# Altium PCB slave.PcbDoc (part 2 of 5) (continued)
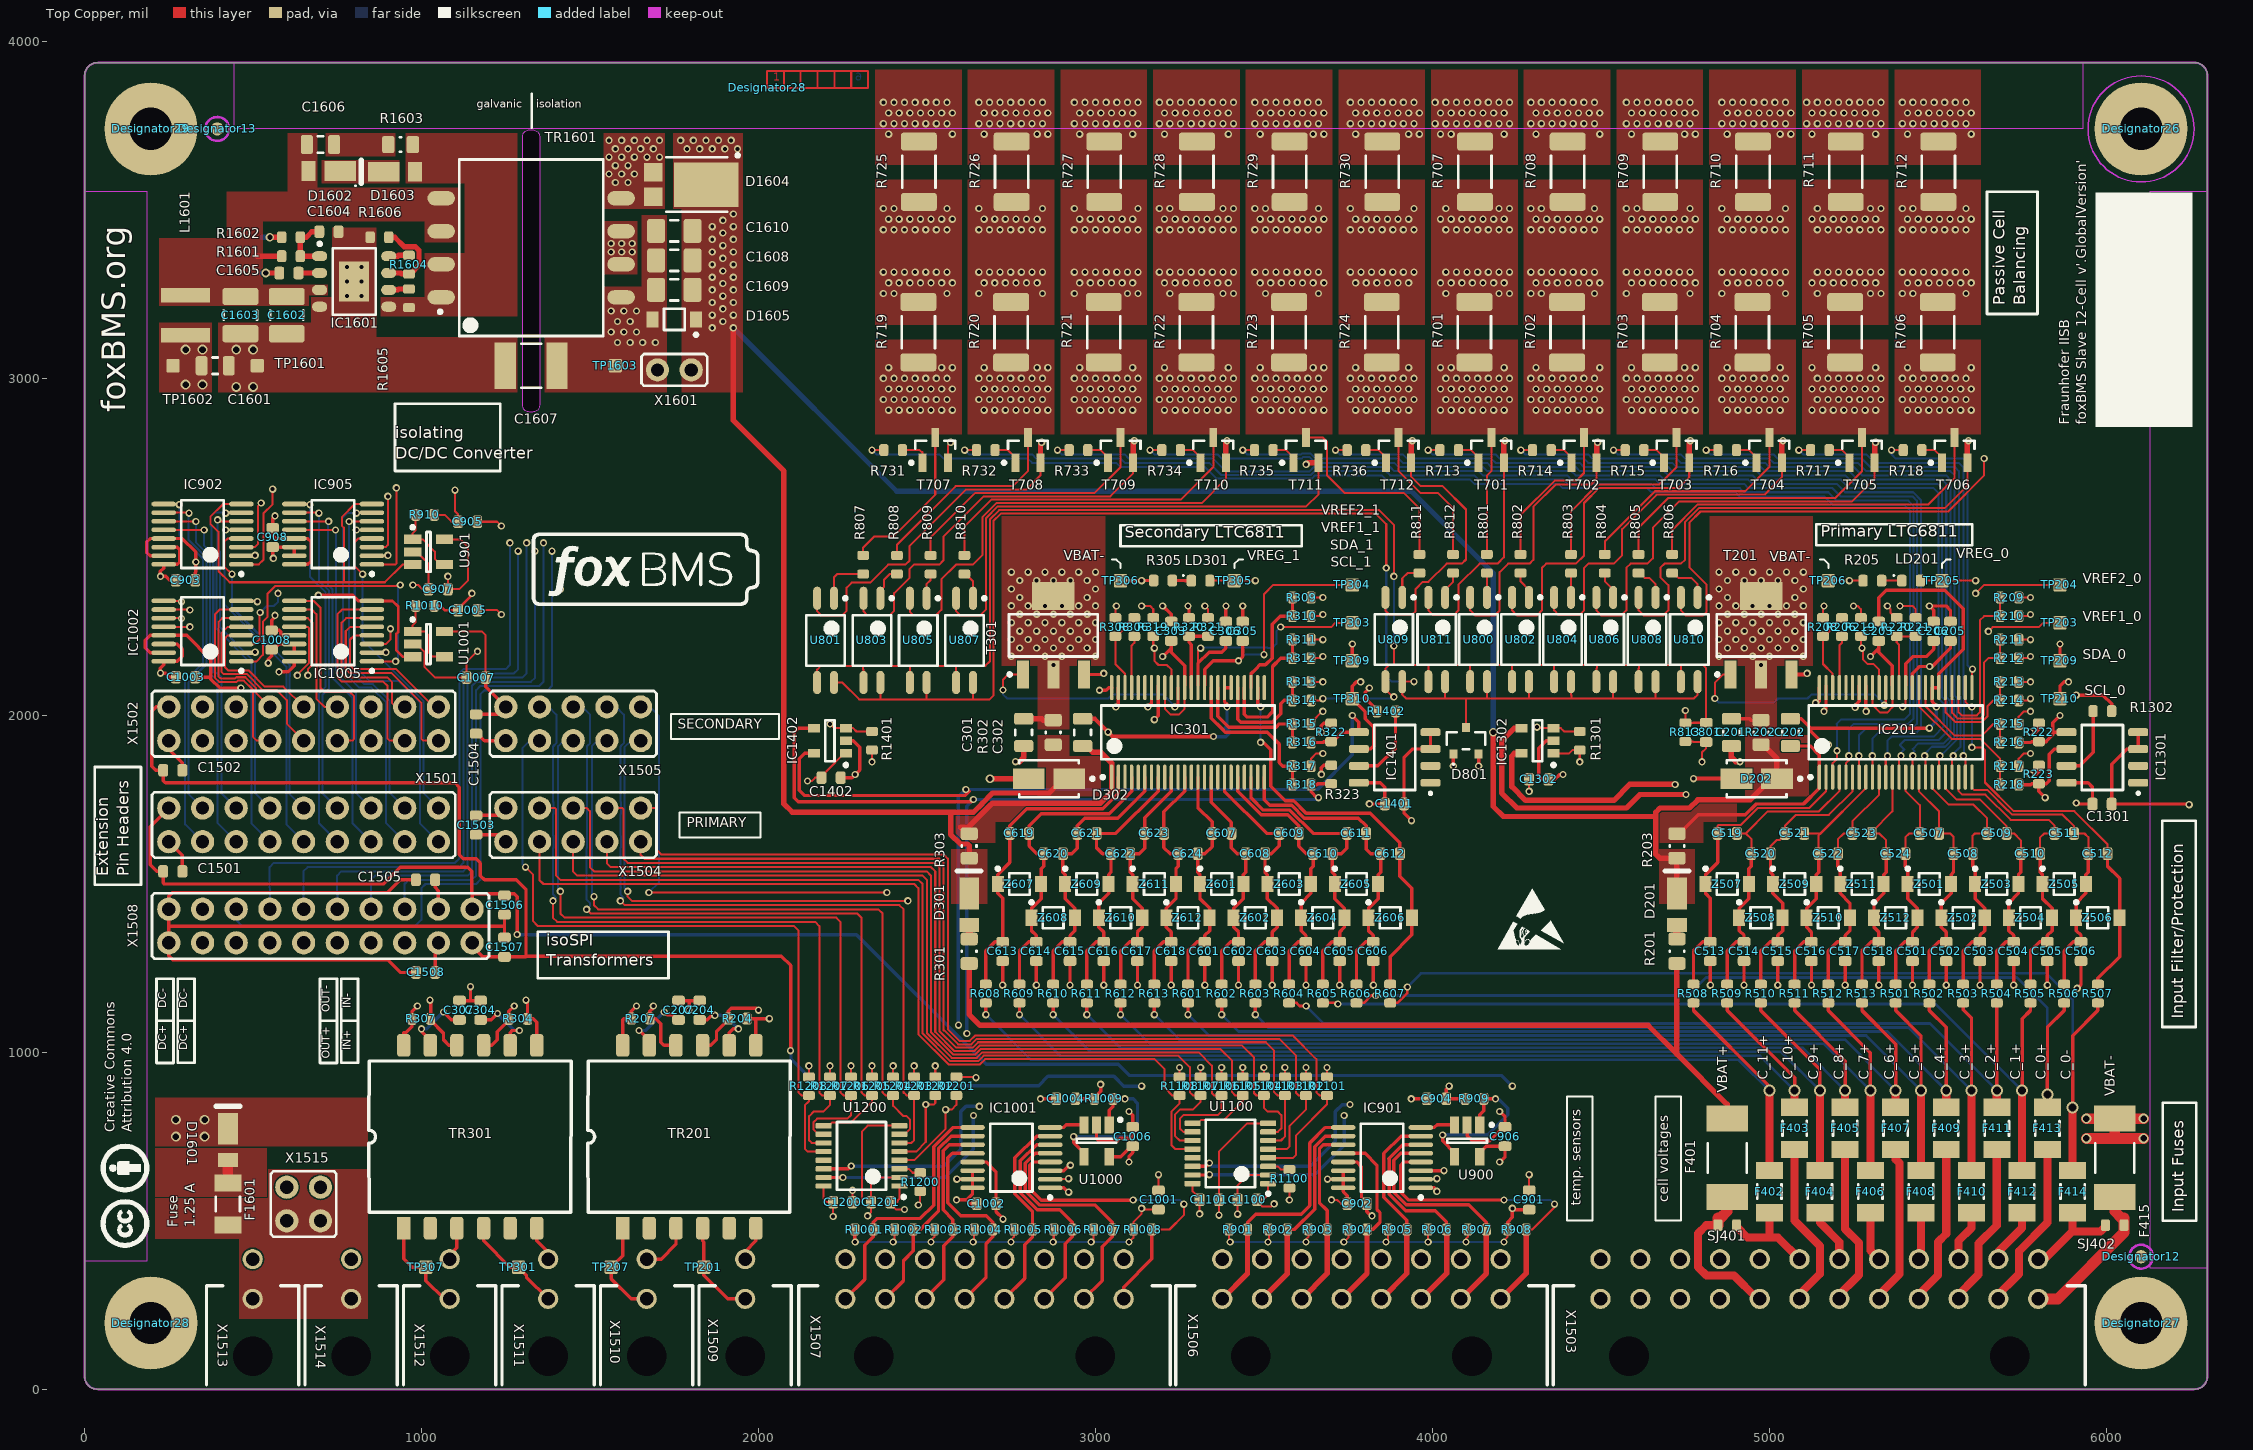
[diagram p0: Top Copper view]
## Nets (pads, with @x,y where several pads share a name; then routed paths per layer and width w, separated by ;. In a path a pad name is that pad's centre, name@x,y a point inside that pad or via, vN(x,y) a via of type N, cw(c..) or ccw(c..) an arc to the next point about the centre after c; other vN are vias at no path point) (continued)
  Top Copper w10: IC902.15@234.84,2473.52 194.43,2473.52 185,2482.95 185,2515 194.7,2524.7 IC902.13@234.84,2524.7 290.3,2524.7 330,2485 v1(330,2455) 330,2425.44 328.05,2423.49 C903.2@328.05,2400.79 ; v1(565,2592) 558,2585 C908.2@558,2556.54 558,2535 568.3,2524.7 IC905.13@622.34,2524.7 662.76,2524.7 672.46,2515 672.46,2457.64 662.76,2447.93 IC905.16@622.34,2447.93 ; C1505.2@1040.25,1512.01 1040.25,1489.31 1050,1479.56 X1508.3@1050,1425 ; C1503.2@1161.71,1703.05 1228.05,1703.05 X1504.9@1250,1725 ; IC901.13@3734.84,674.7 3775.26,674.7 3788.9,661.06 3788.9,569.86 3804.33,554.43 C902.2@3804.33,550.49 3804.33,527.79 3817.12,515 v1(3820,515) ; v1@4136.61,1849.61 D801.2@4136.61,1885.14 ; U900.5@4139.77,690.26 4139.77,702.07 4159.16,721.46 C906.2@4215,721.46 4215,690.3 v1(4199.21,674.51) ; v1(5299.21,2174.51) 5324.21,2199.51 ; C203.2@5324.21,2215.45 5324.21,2199.51 ; IC201.37@5364.37,2088.68 5364.37,2146.85 5324.21,2187.01 5324.21,2199.51 ; v1(5772.14,1825) 5791.5,1825 5800,1833.5 5799.21,1834.29 R223.2@5799.21,1852.07 ; v1(5772.14,1950) 5790,1950 5799.21,1959.21 R222.2@5799.21,1977.07 ; IC1301.8@5881.2,1800 5945,1800 5958.17,1786.83 C1301.2@5958.17,1737.01 5912.99,1737.01 v1(5910,1740) ; v1(5910,2060) 5989.28,2060 6015.06,2034.22 R1302.2@6015.06,2012.5
  Top Copper w12: T201.3@5065.55,2121.36 5108.56,2121.36 v1(5111.71,2124.51)
  VREG w6: v1(506.25,2475) 525,2475 ; v1@3250,955 3250,911.22 3261.71,899.51 ; v1@3315,960 3315,908.72 3324.21,899.51 ; v1@3370,960 3370,916.22 3386.71,899.51 ; v1@3430,955 3430,918.72 3449.21,899.51 ; v1@3500,960 3500,911.22 3511.71,899.51 ; 3550,960 3550,923.72 3574.21,899.51 ; v1@3615,950 3615,921.22 3636.71,899.51 ; v1@3680,955 3680,918.72 3699.21,899.51 ; v1(4286.71,1774.51) 4311.71,1774.51 ; 4436.71,1837.01 v1(4436.71,1862.01) ; 5224.21,2324.51 v1(5249.21,2324.51) ; v1(5386.71,2324.51) 5386.71,2349.51 ; v1(5611.71,2399.51) 5636.71,2399.51
  VREG w10: 300,2475 320,2455 v1(330,2455) ; 550,2612.5 565,2597.5 v1(565,2592) ; v1(3820,515) 3820,557.5 3850,587.5 ; 4136.71,1824.51 v1(4136.71,1849.51) ; 5274.21,2174.51 v1(5299.21,2174.51) ; v1(5772.14,1825) 5773.72,1825 v1@5774.21,1824.51 ; v1(5772.14,1950) 5773.72,1950 v1@5774.21,1949.51 ; 5887.5,1737.5 5890,1740 v1(5910,1740) ; v1@5915,2065 5915,2077.5 5925,2087.5
  VREG w12: v1(5111.71,2124.51) 5136.71,2124.51
+5.0V_VREG_1: C303.2 C1002.2 C1003.2 C1006.2 C1007.2 C1008.2 C1200.2 C1201.2 C1401.2 C1402.2 C1504.2 C1508.2 D801.1 IC301.37 IC301.40 IC1001.2 IC1001.13 IC1002.2 IC1002.13 IC1002.15 IC1005.2 IC1005.13 IC1005.16 IC1401.8 IC1402.1 LD301.2 R319.2 R321.2 R322.2 R323.2 R1200.1 R1201.2 R1202.2 R1203.2 R1204.2 R1205.2 R1206.2 R1207.2 R1208.2 R1401.2 R1402.2 T301.3 TP305.1 U1000.5 U1001.5 U1200.1 U1200.16 X1505.9 X1508.4 | length 4517.3
  Top Copper w6: IC1002.2@464,2186 504.75,2186 v1(506.25,2187.5) ; IC1005.2@851.5,2186 892.94,2186 v1(894.09,2187.16) ; U1001.5@1067.91,2249.02 1178.44,2249.02 1190.25,2237.2 C1007.2@1190.25,2112.01 ; v1(2145,1805) 2157.69,1805 2167.69,1815 C1402.2@2186.46,1815 2186.46,1818.94 2201.89,1834.37 2201.89,1834.96 2254.03,1887.11 IC1402.1@2258.95,1887.11 ; R1208.2@2149.21,927.07 v1(2149.21,960) ; U1200.16@2193.26,603.19 2193.26,564.69 2202.69,555.26 C1200.2@2221.46,555.26 v1(2221.46,512.93) ; R1207.2@2211.71,927.07 v1(2211.71,960) ; R1206.2@2274.21,927.07 v1(2274.21,960) ; R1205.2@2336.71,927.07 v1(2336.71,960) ; v1(2336.71,1862.01) R1401.2@2336.71,1894.98 ; R1204.2@2399.21,927.07 v1(2399.21,960) ; U1200.1@2417.66,603.19 2417.66,565.59 2412.5,560.42 2412.5,555.26 C1201.2@2391.04,555.26 2391.04,551.32 2408.9,533.47 v1(2433.07,533.47) ; R1203.2@2461.71,927.07 v1(2461.71,960) ; v1(2474.21,546.85) 2479.67,552.31 R1200.1@2479.67,587.64 ; R1202.2@2524.21,927.07 v1(2524.21,960) ; R1201.2@2586.71,927.07 2642.93,927.07 v1(2645,925) ; IC1001.2@2864,623.5 2918.5,623.5 v1(2920,625) ; v1(3136.71,2324.51) 3161.71,2324.51 3171.09,2315.13 R319.2@3171.09,2291.54 ; IC301.40@3205.32,2088.68 3205.32,2019.69 3220,2005 3221.82,2003.17 3248.17,2003.17 3264.37,2019.37 IC301.37@3264.37,2088.68 ; v1(3324.21,2324.51) 3333.59,2315.13 R321.2@3333.59,2291.54 ; LD301.2@3341.24,2399.51 TP305.1@3411.71,2399.51 v1(3474.21,2399.51) ; v1(4061.71,1849.51) v1@4061.81,1849.61
  Top Copper w10: IC1002.15@234.84,2186.02 194.43,2186.02 180,2200.45 180,2222.78 194.43,2237.2 IC1002.13@234.84,2237.2 302.8,2237.2 374.71,2165.29 374.71,2115 ; C1003.2@328.05,2113.29 373,2113.29 374.71,2115 ; v1(463.75,2081.25) 400.5,2081.25 374.71,2107.04 374.71,2115 ; v1(565,2297) 565,2292 555,2282 C1008.2@555,2252.09 577.7,2252.09 581.93,2247.86 581.93,2237.2 IC1005.13@622.34,2237.2 ; v1(577,2129) 604,2129 622.34,2147.34 IC1005.16@622.34,2160.43 ; C1508.2@1040.25,1237.01 1040.25,1315.25 X1508.4@1050,1325 ; C1504.2@1161.71,2003.05 1228.05,2003.05 X1505.9@1250,2025 1190.25,2084.75 C1007.2@1190.25,2112.01 ; IC1001.13@2634.84,674.7 2675.26,674.7 2704.33,645.63 C1002.2@2704.33,550.49 2704.33,527.79 2725,507.12 v1(2725,505) ; T301.3@2965.55,2121.36 3021.06,2121.36 v1(3024.21,2124.51) ; U1000.5@3040.15,690.26 3074.86,690.26 3106.06,721.46 C1006.2@3110,721.46 3110,702.69 3099.21,691.9 v1(3099.21,674.51) ; v1(3199.21,2174.51) 3224.21,2199.51 ; C303.2@3224.21,2215.45 3224.21,2199.51 ; IC301.37@3264.37,2088.68 3264.37,2146.85 3224.21,2187.01 3224.21,2199.51 ; v1(3670,1825) 3670,1844.58 3677.49,1852.07 R323.2@3699.21,1852.07 ; v1(3670,1950) 3670,1969.58 3677.49,1977.07 R322.2@3699.21,1977.07 ; IC1401.8@3781.2,1800 3845,1800 3858.17,1786.83 C1401.2@3858.17,1737.01 3812.99,1737.01 v1(3812.5,1737.5) ; v1(3812.5,2081.25) 3800,2068.75 3800,2050.89 3834.94,2015.95 R1402.2@3834.94,2012.01 ; v1@4061.81,1849.61 D801.1@4061.81,1885.14
  VREG w6: v1(506.25,2187.5) 518.75,2187.5 ; v1@575,2125 577,2127 v1(577,2129) ; v1@2150,960 2150,911.22 2161.71,899.51 ; v1@2215,960 2215,908.72 2224.21,899.51 ; v1@2280,955 2280,906.22 2286.71,899.51 ; v1@2340,955 2340,908.72 2349.21,899.51 ; v1@2400,960 2400,911.22 2411.71,899.51 ; 2461.71,899.51 2474.21,899.51 ; 2524.21,899.51 2536.71,899.51 ; 2599.21,899.51 2624.7,925 v1(2645,925) ; 3111.71,2324.51 v1(3136.71,2324.51) ; 3299.21,2324.51 v1(3324.21,2324.51) ; v1(3474.21,2399.51) 3499.21,2399.51
  VREG w10: v1(463.75,2081.25) 481.25,2081.25 487.5,2075 ; v1(565,2297) 565,2315 575,2325 ; v1(3024.21,2124.51) 3049.21,2124.51 ; 3174.21,2174.51 v1(3199.21,2174.51) ; v1(3670,1825) 3673.72,1825 v1@3674.21,1824.51 ; v1(3670,1950) 3723.72,1950 3724.21,1949.51 ; 3787.5,1737.5 v1(3812.5,1737.5) ; 3825,2100 3825,2112.5 3837.5,2125 ; 3962.5,1750 4050,1750 4061.71,1761.71 v1(4061.71,1849.51)
CELL0_FEEDBACK+: R706.2 R712.2 R806.1 T706.3 | length 1869.4
  Top Copper w6: R806.1@4710.92,2477.56 4710.92,2550.06 4785.86,2625 5470,2625 5549.21,2704.21 T706.3@5549.21,2824.41 T706.3@5549.21,2826.38
  Signal Layer 3 w16: 5424.21,3037.01 5400.49,3037.01 5387.5,3050 5387.5,3189.82 5360,3217.32 5360,3527.32 5350,3537.32 5350,3675 5387.5,3712.5 5423.72,3712.5 5424.21,3712.01
  other v1: 5409.46,2905.52 5440.95,2905.52 5472.45,2905.52 5503.94,2905.52 5535.44,2905.52 5566.94,2905.52 5598.43,2905.52 5393.71,2937.01 5425.2,2937.01 5456.7,2937.01 5488.2,2937.01 5519.69,2937.01 5551.19,2937.01 5582.68,2937.01 5409.46,2968.51 5440.95,2968.51 5472.45,2968.51 5503.94,2968.51 5535.44,2968.51 5566.94,2968.51 5598.43,2968.51 5393.71,3000 5425.2,3000 5456.7,3000 5488.2,3000 5519.69,3000 5551.19,3000 5582.68,3000 5409.46,3031.5 5598.43,3031.5 5409.46,3724.41 5598.43,3724.41 5393.71,3755.91 5425.2,3755.91 5456.7,3755.91 5488.2,3755.91 5519.69,3755.91 5551.19,3755.91 5582.68,3755.91 5409.46,3787.41 5440.95,3787.41 5472.45,3787.41 5503.94,3787.41 5535.44,3787.41 5566.94,3787.41 5598.43,3787.41 5393.71,3818.9 5425.2,3818.9 5456.7,3818.9 5488.2,3818.9 5519.69,3818.9 5551.19,3818.9 5582.68,3818.9
CELL1_FEEDBACK+: R705.2 R711.2 R805.1 T705.3 | length 1683.4
  Top Copper w6: R805.1@4614.86,2477.56 R805.1@4610.92,2477.56 4610.92,2556.56 4699.36,2645 5195,2645 5274.21,2724.21 T705.3@5274.21,2824.41 T705.3@5274.21,2826.38
  Signal Layer 3 w16: 5149.21,3037.01 5125.49,3037.01 5112.5,3050 5112.5,3189.82 5085,3217.32 5085,3685 5112.5,3712.5 5149.7,3712.5 ; 5149.21,3712.01 5149.7,3712.5 ; 5150,3712.5 5149.7,3712.5
  other v1: 5125.99,2905.52 5157.49,2905.52 5188.98,2905.52 5220.48,2905.52 5251.98,2905.52 5283.47,2905.52 5314.97,2905.52 5141.74,2937.01 5173.24,2937.01 5204.73,2937.01 5236.23,2937.01 5267.72,2937.01 5299.22,2937.01 5330.72,2937.01 5125.99,2968.51 5157.49,2968.51 5188.98,2968.51 5220.48,2968.51 5251.98,2968.51 5283.47,2968.51 5314.97,2968.51 5141.74,3000 5173.24,3000 5204.73,3000 5236.23,3000 5267.72,3000 5299.22,3000 5330.72,3000 5125.99,3031.5 5314.97,3031.5 5125.99,3724.41 5314.97,3724.41 5110.24,3755.91 5141.74,3755.91 5173.24,3755.91 5204.73,3755.91 5236.23,3755.91 5267.72,3755.91 5299.22,3755.91 5330.72,3755.91 5125.99,3787.41 5157.49,3787.41 5188.98,3787.41 5220.48,3787.41 5251.98,3787.41 5283.47,3787.41 5314.97,3787.41 5110.24,3818.9 5141.74,3818.9 5173.24,3818.9 5204.73,3818.9 5236.23,3818.9 5267.72,3818.9 5299.22,3818.9 5330.72,3818.9
CELL2_FEEDBACK+: R704.2 R710.2 R804.1 T704.3 | length 1471.9
  Top Copper w6: R804.1@4510.92,2477.56 4510.92,2515.92 4660,2665 4927.2,2665 4999.21,2737.01 T704.3@4999.21,2824.41 T704.3@4999.21,2826.38
  Signal Layer 3 w16: v1@4874.21,3037.01 4850.49,3037.01 4837.5,3050 4837.5,3189.82 4810,3217.32 4810,3685 4837.5,3712.5 4873.72,3712.5 4874.21,3712.01
  other v1: 4874.02,2905.52 4905.52,2905.52 4937.01,2905.52 4968.51,2905.52 5000.01,2905.52 5031.5,2905.52 4858.27,2937.01 4889.77,2937.01 4921.27,2937.01 4952.76,2937.01 4984.26,2937.01 5015.76,2937.01 5047.25,2937.01 4874.02,2968.51 4905.52,2968.51 4937.01,2968.51 4968.51,2968.51 5000.01,2968.51 5031.5,2968.51 4858.27,3000 4889.77,3000 4921.27,3000 4952.76,3000 4984.26,3000 5015.76,3000 5047.25,3000 4874.02,3031.5 5031.5,3031.5 4874.02,3724.41 5031.5,3724.41 5063,3724.41 4858.27,3755.91 4889.77,3755.91 4921.27,3755.91 4952.76,3755.91 4984.26,3755.91 5015.76,3755.91 5047.25,3755.91 4874.02,3787.41 4905.52,3787.41 4937.01,3787.41 4968.51,3787.41 5000.01,3787.41 5031.5,3787.41 5063,3787.41 4858.27,3818.9 4889.77,3818.9 4921.27,3818.9 4952.76,3818.9 4984.26,3818.9 5015.76,3818.9 5047.25,3818.9
CELL3_FEEDBACK+: R703.2 R709.2 R803.1 T703.3 | length 1349.6
  Top Copper w6: R803.1@4410.92,2477.56 4410.92,2605.92 4490,2685 4672.2,2685 4724.21,2737.01 T703.3@4724.21,2824.41 T703.3@4724.21,2826.38
  Signal Layer 3 w16: v1@4599.21,3037.01 4575.49,3037.01 4562.5,3050 4562.5,3189.82 4535,3217.32 4535,3685 4562.5,3712.5 4598.72,3712.5 4599.21,3712.01
  other v1: 4590.56,2905.52 4622.05,2905.52 4653.55,2905.52 4685.05,2905.52 4716.54,2905.52 4748.04,2905.52 4779.53,2905.52 4574.81,2937.01 4606.31,2937.01 4637.8,2937.01 4669.3,2937.01 4700.79,2937.01 4732.29,2937.01 4763.79,2937.01 4590.56,2968.51 4622.05,2968.51 4653.55,2968.51 4685.05,2968.51 4716.54,2968.51 4748.04,2968.51 4779.53,2968.51 4574.81,3000 4606.31,3000 4637.8,3000 4669.3,3000 4700.79,3000 4732.29,3000 4763.79,3000 4590.56,3031.5 4748.04,3031.5 4779.53,3031.5 4590.56,3724.41 4748.04,3724.41 4779.53,3724.41 4574.81,3755.91 4606.31,3755.91 4637.8,3755.91 4669.3,3755.91 4700.79,3755.91 4732.29,3755.91 4763.79,3755.91 4590.56,3787.41 4622.05,3787.41 4653.55,3787.41 4685.05,3787.41 4716.54,3787.41 4748.04,3787.41 4779.53,3787.41 4574.81,3818.9 4606.31,3818.9 4637.8,3818.9 4669.3,3818.9 4700.79,3818.9 4732.29,3818.9 4763.79,3818.9
CELL4_FEEDBACK+: R702.2 R708.2 R802.1 T702.3 | length 1228.7
  Top Copper w6: R802.1@4260.92,2477.56 4260.92,2595.06 4362.2,2696.34 4426.34,2696.34 4449.21,2719.21 T702.3@4449.21,2824.41 T702.3@4449.21,2826.38
  Signal Layer 3 w16: 4324.21,3037.01 4300.49,3037.01 4287.5,3050 4287.5,3189.82 4260,3217.32 4260,3685 4287.5,3712.5 4323.72,3712.5 4324.21,3712.01
  other v1: 4307.09,2905.52 4338.59,2905.52 4370.09,2905.52 4401.58,2905.52 4433.08,2905.52 4464.57,2905.52 4496.07,2905.52 4291.34,2937.01 4322.84,2937.01 4354.34,2937.01 4385.83,2937.01 4417.33,2937.01 4448.83,2937.01 4480.32,2937.01 4307.09,2968.51 4338.59,2968.51 4370.09,2968.51 4401.58,2968.51 4433.08,2968.51 4464.57,2968.51 4496.07,2968.51 4291.34,3000 4322.84,3000 4354.34,3000 4385.83,3000 4417.33,3000 4448.83,3000 4480.32,3000 4307.09,3031.5 4496.07,3031.5 4307.09,3724.41 4496.07,3724.41 4291.34,3755.91 4322.84,3755.91 4354.34,3755.91 4385.83,3755.91 4417.33,3755.91 4448.83,3755.91 4480.32,3755.91 4307.09,3787.41 4338.59,3787.41 4370.09,3787.41 4401.58,3787.41 4433.08,3787.41 4464.57,3787.41 4496.07,3787.41 4291.34,3818.9 4322.84,3818.9 4354.34,3818.9 4385.83,3818.9 4417.33,3818.9 4448.83,3818.9 4480.32,3818.9
CELL5_FEEDBACK+: R701.2 R707.2 R801.1 T701.3 | length 1118.6
  Top Copper w6: R801.1@4160.92,2477.56 4160.92,2711.22 4174.21,2724.51 T701.3@4174.21,2824.41 T701.3@4174.21,2826.38
  Signal Layer 3 w16: v1@4049.21,3037.01 4025.49,3037.01 4012.5,3050 4012.5,3237.5 3985,3265 3985,3685 4012.5,3712.5 4048.72,3712.5 4049.21,3712.01
  other v1: 4023.63,2905.52 4055.12,2905.52 4086.62,2905.52 4118.12,2905.52 4149.61,2905.52 4181.11,2905.52 4212.6,2905.52 4039.38,2937.01 4070.87,2937.01 4102.37,2937.01 4133.86,2937.01 4165.36,2937.01 4196.86,2937.01 4228.35,2937.01 4023.63,2968.51 4055.12,2968.51 4086.62,2968.51 4118.12,2968.51 4149.61,2968.51 4181.11,2968.51 4212.6,2968.51 4039.38,3000 4070.87,3000 4102.37,3000 4133.86,3000 4165.36,3000 4196.86,3000 4228.35,3000 4023.63,3031.5 4055.12,3031.5 4212.6,3031.5 4023.63,3724.41 4055.12,3724.41 4212.6,3724.41 4007.88,3755.91 4039.38,3755.91 4070.87,3755.91 4102.37,3755.91 4133.86,3755.91 4165.36,3755.91 4196.86,3755.91 4228.35,3755.91 4023.63,3787.41 4055.12,3787.41 4086.62,3787.41 4118.12,3787.41 4149.61,3787.41 4181.11,3787.41 4212.6,3787.41 4007.88,3818.9 4039.38,3818.9 4070.87,3818.9 4102.37,3818.9 4133.86,3818.9 4165.36,3818.9 4196.86,3818.9 4228.35,3818.9
CELL6_FEEDBACK+: R724.2 R730.2 R812.1 T712.3 | length 1210.1
  Top Copper w6: T712.3@3899.21,2826.38 T712.3@3899.21,2824.41 3899.21,2724.51 3963.72,2660 4015,2660 4060.92,2614.08 R812.1@4060.92,2477.56
  Signal Layer 3 w16: v1@3774.21,3037.01 3750.49,3037.01 3737.5,3050 3737.5,3237.5 3710,3265 3710,3685 3737.5,3712.5 3773.72,3712.5 3774.21,3712.01
  other v1: 3771.66,2905.52 3803.16,2905.52 3834.65,2905.52 3866.15,2905.52 3897.64,2905.52 3929.14,2905.52 3755.91,2937.01 3787.41,2937.01 3818.9,2937.01 3850.4,2937.01 3881.9,2937.01 3913.39,2937.01 3944.89,2937.01 3771.66,2968.51 3803.16,2968.51 3834.65,2968.51 3866.15,2968.51 3897.64,2968.51 3929.14,2968.51 3755.91,3000 3787.41,3000 3818.9,3000 3850.4,3000 3881.9,3000 3913.39,3000 3944.89,3000 3771.66,3031.5 3929.14,3031.5 3771.66,3724.41 3929.14,3724.41 3960.64,3724.41 3755.91,3755.91 3787.41,3755.91 3818.9,3755.91 3850.4,3755.91 3881.9,3755.91 3913.39,3755.91 3944.89,3755.91 3771.66,3787.41 3803.16,3787.41 3834.65,3787.41 3866.15,3787.41 3897.64,3787.41 3929.14,3787.41 3960.64,3787.41 3755.91,3818.9 3787.41,3818.9 3818.9,3818.9 3850.4,3818.9 3881.9,3818.9 3913.39,3818.9 3944.89,3818.9
CELL7_FEEDBACK+: R723.2 R729.2 R811.1 T711.3 | length 1379.2
  Top Copper w6: T711.3@3624.21,2824.41 3674.11,2824.41 3674.21,2824.51 3686.71,2812.01 3686.71,2712.01 3738.72,2660 3915,2660 3960.92,2614.08 R811.1@3960.92,2477.56
  Signal Layer 3 w16: 3499.21,3037.01 3475.49,3037.01 3462.5,3050 3462.5,3237.5 3440,3260 3440,3690 3462.5,3712.5 3498.72,3712.5 3499.21,3712.01
  other v1: 3488.19,2905.52 3519.69,2905.52 3551.19,2905.52 3582.68,2905.52 3614.18,2905.52 3645.67,2905.52 3677.17,2905.52 3472.45,2937.01 3503.94,2937.01 3535.44,2937.01 3566.93,2937.01 3598.43,2937.01 3629.93,2937.01 3661.42,2937.01 3488.19,2968.51 3519.69,2968.51 3551.19,2968.51 3582.68,2968.51 3614.18,2968.51 3645.67,2968.51 3677.17,2968.51 3472.45,3000 3503.94,3000 3535.44,3000 3566.93,3000 3598.43,3000 3629.93,3000 3661.42,3000 3488.19,3031.5 3645.67,3031.5 3677.17,3031.5 3488.19,3724.41 3645.67,3724.41 3677.17,3724.41 3472.45,3755.91 3503.94,3755.91 3535.44,3755.91 3566.93,3755.91 3598.43,3755.91 3629.93,3755.91 3661.42,3755.91 3488.19,3787.41 3519.69,3787.41 3551.19,3787.41 3582.68,3787.41 3614.18,3787.41 3645.67,3787.41 3677.17,3787.41 3472.45,3818.9 3503.94,3818.9 3535.44,3818.9 3566.93,3818.9 3598.43,3818.9 3629.93,3818.9 3661.42,3818.9
CELL8_FEEDBACK+: R722.2 R728.2 R810.1 T710.3 | length 1751
  Top Copper w6: R810.1@2610.52,2474.53 2610.52,2559.74 2690.78,2640 3252.2,2640 3349.21,2737.01 T710.3@3349.21,2824.41 T710.3@3349.21,2826.38
  Signal Layer 3 w16: 3224.21,3037.01 3200.49,3037.01 3187.5,3050 3187.5,3222.5 3160,3250 3160,3685 3187.5,3712.5 3223.72,3712.5 3224.21,3712.01
  other v1: 3204.73,2905.52 3236.23,2905.52 3267.72,2905.52 3299.22,2905.52 3330.71,2905.52 3362.21,2905.52 3393.71,2905.52 3188.98,2937.01 3220.48,2937.01 3251.97,2937.01 3283.47,2937.01 3314.97,2937.01 3346.46,2937.01 3377.96,2937.01 3409.45,2937.01 3204.73,2968.51 3236.23,2968.51 3267.72,2968.51 3299.22,2968.51 3330.71,2968.51 3362.21,2968.51 3393.71,2968.51 3188.98,3000 3220.48,3000 3251.97,3000 3283.47,3000 3314.97,3000 3346.46,3000 3377.96,3000 3409.45,3000 3204.73,3031.5 3393.71,3031.5 3204.73,3724.41 3393.71,3724.41 3188.98,3755.91 3220.48,3755.91 3251.97,3755.91 3283.47,3755.91 3314.97,3755.91 3346.46,3755.91 3377.96,3755.91 3409.45,3755.91 3204.73,3787.41 3236.23,3787.41 3267.72,3787.41 3299.22,3787.41 3330.71,3787.41 3362.21,3787.41 3393.71,3787.41 3188.98,3818.9 3220.48,3818.9 3251.97,3818.9 3283.47,3818.9 3314.97,3818.9 3346.46,3818.9 3377.96,3818.9 3409.45,3818.9
CELL9_FEEDBACK+: R721.2 R727.2 R809.1 T709.3 | length 1555.4
  Top Copper w6: R809.1@2510.52,2476.5 2510.52,2528.02 2642.5,2660 2997.2,2660 3074.21,2737.01 T709.3@3074.21,2824.41 T709.3@3074.21,2826.38
  Signal Layer 3 w16: v1@2949.21,3037.01 2925.49,3037.01 2912.5,3050 2912.5,3237.5 2885,3265 2885,3685 2912.5,3712.5 2948.72,3712.5 2949.21,3712.01
  other v1: 2952.76,2905.52 2984.26,2905.52 3015.75,2905.52 3047.25,2905.52 3078.74,2905.52 3110.24,2905.52 2937.01,2937.01 2968.51,2937.01 3000,2937.01 3031.5,2937.01 3063,2937.01 3094.49,2937.01 3125.99,2937.01 2952.76,2968.51 2984.26,2968.51 3015.75,2968.51 3047.25,2968.51 3078.74,2968.51 3110.24,2968.51 2937.01,3000 2968.51,3000 3000,3000 3031.5,3000 3063,3000 3094.49,3000 3125.99,3000 2952.76,3031.5 3110.24,3031.5 2952.76,3724.41 3110.24,3724.41 2937.01,3755.91 2968.51,3755.91 3000,3755.91 3031.5,3755.91 3063,3755.91 3094.49,3755.91 3125.99,3755.91 2952.76,3787.41 2984.26,3787.41 3015.75,3787.41 3047.25,3787.41 3078.74,3787.41 3110.24,3787.41 2937.01,3818.9 2968.51,3818.9 3000,3818.9 3031.5,3818.9 3063,3818.9 3094.49,3818.9 3125.99,3818.9
CELL10_FEEDBACK+: R720.2 R726.2 R808.1 T708.3 | length 1374.6
  Top Copper w6: R808.1@2410.52,2476.5 2410.52,2505.52 2585,2680 2754.7,2680 2799.21,2724.51 T708.3@2799.21,2824.41 T708.3@2799.21,2826.38
  Signal Layer 3 w16: v1@2674.21,3037.01 2650.49,3037.01 2637.5,3050 2637.5,3225 2610,3252.5 2610,3685 2637.5,3712.5 2673.72,3712.5 2674.21,3712.01
  other v1: 2669.3,2905.52 2700.79,2905.52 2732.29,2905.52 2763.78,2905.52 2795.28,2905.52 2826.78,2905.52 2858.27,2905.52 2653.55,2937.01 2685.04,2937.01 2716.54,2937.01 2748.04,2937.01 2779.53,2937.01 2811.03,2937.01 2842.52,2937.01 2669.3,2968.51 2700.79,2968.51 2732.29,2968.51 2763.78,2968.51 2795.28,2968.51 2826.78,2968.51 2858.27,2968.51 2653.55,3000 2685.04,3000 2716.54,3000 2748.04,3000 2779.53,3000 2811.03,3000 2842.52,3000 2669.3,3031.5 2826.78,3031.5 2858.27,3031.5 2669.3,3724.41 2826.78,3724.41 2858.27,3724.41 2653.55,3755.91 2685.04,3755.91 2716.54,3755.91 2748.04,3755.91 2779.53,3755.91 2811.03,3755.91 2842.52,3755.91 2669.3,3787.41 2700.79,3787.41 2732.29,3787.41 2763.78,3787.41 2795.28,3787.41 2826.78,3787.41 2858.27,3787.41 2653.55,3818.9 2685.04,3818.9 2716.54,3818.9 2748.04,3818.9 2779.53,3818.9 2811.03,3818.9 2842.52,3818.9
CELL11_FEEDBACK+: R719.2 R725.2 R807.1 T707.3 | length 1241.1
  Top Copper w6: R807.1@2310.52,2474.53 2310.52,2498.02 2342.56,2530.06 2399.33,2530.06 2524.21,2654.94 T707.3@2524.21,2824.41 T707.3@2524.21,2826.38
  Signal Layer 3 w16: 2399.21,3037.01 2362.99,3037.01 2340,3060 2340,3690 2362.5,3712.5 2398.72,3712.5 2399.21,3712.01
  other v1: 2385.83,2905.52 2417.33,2905.52 2448.82,2905.52 2480.32,2905.52 2511.82,2905.52 2543.31,2905.52 2574.81,2905.52 2370.08,2937.01 2401.58,2937.01 2433.07,2937.01 2464.57,2937.01 2496.07,2937.01 2527.56,2937.01 2559.06,2937.01 2385.83,2968.51 2417.33,2968.51 2448.82,2968.51 2480.32,2968.51 2511.82,2968.51 2543.31,2968.51 2574.81,2968.51 2370.08,3000 2401.58,3000 2433.07,3000 2464.57,3000 2496.07,3000 2527.56,3000 2559.06,3000 2385.83,3031.5 2543.31,3031.5 2574.81,3031.5 2385.83,3724.41 2574.81,3724.41 2370.08,3755.91 2401.58,3755.91 2433.07,3755.91 2464.57,3755.91 2496.07,3755.91 2527.56,3755.91 2559.06,3755.91 2385.83,3787.41 2417.33,3787.41 2448.82,3787.41 2480.32,3787.41 2511.82,3787.41 2543.31,3787.41 2574.81,3787.41 2370.08,3818.9 2401.58,3818.9 2433.07,3818.9 2464.57,3818.9 2496.07,3818.9 2527.56,3818.9 2559.06,3818.9
CELL_0+: F413.1 X1503.2 | length 505.1
  Top Copper w24: X1503.2@5669.29,271.65 5740,342.36 5740,410 5825,495 5824.21,495.79 F413.1@5824.21,711.91
CELL_0-: F414.1 SJ402.1 X1503.13 | length 299.1
  Top Copper w24: X1503.13@5797.29,386.42 5816.42,386.42 5899.21,469.21 ; F414.1@5899.21,524.41 5899.21,469.21 ; SJ402.1@5996.65,487.01 5996.65,483.07 5982.06,468.48 5899.94,468.48 5899.21,469.21
CELL_1+: F412.1 X1503.14 | length 167.2
  Top Copper w24: X1503.14@5678.78,386.42 5678.78,408.78 5749.21,479.21 F412.1@5749.21,524.41
CELL_2+: F411.1 X1503.3 | length 500.7
  Top Copper w24: X1503.3@5551.18,271.65 5620,340.47 5620,432.5 5674.21,486.71 F411.1@5674.21,711.91 F411.1@5674.21,721.36
CELL_3+: F410.1 X1503.15 | length 153.9
  Top Copper w24: X1503.15@5560.79,386.42 5560.79,440.79 5599.21,479.21 F410.1@5599.21,524.41
CELL_4+: F409.1 X1503.4 | length 487.5
  Top Copper w24: X1503.4@5433.07,271.65 5500,338.58 5500,437.5 5524.21,461.71 F409.1@5524.21,711.91 F409.1@5524.21,721.36
CELL_5+: F408.1 X1503.16 | length 140.6
  Top Copper w24: X1503.16@5442.8,386.42 5449.21,392.83 F408.1@5449.21,524.41
CELL_6+: F407.1 X1503.5 | length 473.7
  Top Copper w24: X1503.5@5314.96,271.65 5318.27,274.96 5385,341.7 5385,671.53 5374.21,682.32 F407.1@5374.21,711.91
CELL_7+: F406.1 X1503.17 | length 148.6
  Top Copper w24: F406.1@5299.21,524.41 5299.21,412.02 X1503.17@5324.81,386.42
CELL_8+: F405.1 X1503.6 | length 494.8
  Top Copper w24: X1503.6@5196.85,271.65 5265,339.8 5265,435 5224.21,475.79 F405.1@5224.21,711.91 F405.1@5224.21,721.36
CELL_9+: F404.1 X1503.18 | length 161.9
  Top Copper w24: F404.1@5149.21,524.41 5149.21,494.82 5206.82,437.22 X1503.18@5206.82,386.42
CELL_10+: F403.1 X1503.7 | length 510.6
  Top Copper w24: F403.1@5074.21,721.36 F403.1@5074.21,711.91 5074.21,500.79 5150,425 5150,342.91 X1503.7@5078.74,271.65
CELL_11+: F402.1 SJ401.2 X1503.19 | length 305.7
  Top Copper w24: SJ401.2@4901.77,487.01 4901.77,483.07 4934.84,450 5000,450 ; F402.1@4999.21,524.41 4999.21,450.79 5000,450 ; X1503.19@5088.78,386.42 5025.21,450 5000,450
EXT_DC_IN+: F1601.1 X1513.1 X1514.1 X1515.1 X1515.3
EXT_DC_IN-: C1601.1 C1602.1 C1603.1 C1604.1 C1605.1 C1607.1 IC1601.4 IC1601.9 R1602.1 R1606.1 TP1601.1 X1513.2 X1514.2 X1515.2 X1515.4 | length 3887.4
  Top Copper w16: v4(537.5,3312.5) C1605.1@572.19,3312.5 ; v4(550,3418.75) R1602.1@582.97,3418.75
  Signal Layer 3 w32: v2(450,2975) 450,3012.5 425,3037.5 ; v2@451,3085 451,3063.5 425,3037.5 ; v2@497,3085 497,3053 481.5,3037.5 475,3037.5 ; v2(500,2975) 500,3012.5 475,3037.5 ; X1513.2@511.81,393.7 512.5,394.39 512.5,662.5 475,700 62.5,700 37.5,725 37.5,3012.5 62.5,3037.5 425,3037.5 ; 425,3037.5 475,3037.5
  Bot Copper w16: 512.5,3312.5 v4(537.5,3312.5) ; 525,3418.75 v4(550,3418.75)
  other v1: 778.35,3244.19 821.65,3244.19 778.35,3287.5 821.65,3287.5 778.35,3330.81 821.65,3330.81
  other v2: 450,3085 500,3085
EXT_DC_ISO+: C1608.2 C1609.2 C1610.2 D201.2 D202.1 D301.2 D302.1 D1604.1 D1605.1 R202.2 R203.1 R302.2 R303.1 X1601.1 | length 7119
  Top Copper w10: R302.2@2874.21,1912.11 R302.2@2880.12,1906.2
  Top Copper w16: v1(1925,3150) 1925,2875 2075,2725 2075,1737.5 2100,1712.5 2570,1712.5 ; R303.1@2625,1576.08 2625,1613.22 2620,1618.22 2598.82,1618.22 2570,1647.04 2570,1712.5 ; D302.1@2921.75,1812.01 2905.02,1812.01 2862.51,1769.5 2694.5,1769.5 2664.18,1739.18 2664.18,1739.04 2637.64,1712.5 2570,1712.5 ; v4(4180,1950) 4180,1730 4210,1700 4662.5,1700 ; D201.2@4725,1470.96 R203.1@4725,1576.08 4674.02,1576.08 4662.5,1587.6 4662.5,1700 ; R202.2@4974.21,1913.09 4981.1,1913.09 5021.75,1872.44 D202.1@5021.75,1812.01 5005.02,1812.01 4942.52,1749.51 4787.01,1749.51 4762.5,1725 4675,1725 4662.5,1712.5 4662.5,1700
  Bot Copper w16: v1(1925,3150) 2410,2665 3937,2665 4180,2422 v4(4180,1950)
  other v1: 1862.5,3150 1893.75,3168.75 1862.5,3187.5 1925,3187.5 1893.75,3206.25 1862.5,3225 1925,3225 1893.75,3243.75 1862.5,3262.5 1925,3262.5 1893.75,3281.25 1862.5,3300 1925,3300 1893.75,3318.75 1862.5,3337.5 1925,3337.5 1893.75,3356.25 1862.5,3375 1925,3375 1893.75,3393.75 1862.5,3412.5 1925,3412.5 1893.75,3431.25 1862.5,3450 1925,3450 1893.75,3468.75 1925,3487.5 1787.5,3681.25 1825,3681.25 1862.5,3681.25 1900,3681.25 1937.5,3681.25 1768.75,3706.25 1806.25,3706.25 1843.75,3706.25 1881.25,3706.25 1918.75,3706.25
FUSED_CELL_0+: F413.2 R506.1 R606.1 R705.1 R711.1 T706.2 U808.2 | length 8168.8
  Top Copper w6: U808.2@4611.71,2350 4611.71,2311.55 4626.26,2297 4685.05,2297 4699.36,2311.32 4699.36,2386.47 4675.79,2410.05 4675.79,2437.5 4688.29,2450 4736.87,2450 4749.21,2462.34 4749.21,2574.21 4790,2615 5520,2615 5586.71,2681.71 5586.61,2681.81 T706.2@5586.61,2749.61
  Top Copper w8: R606.1@3774.21,1146.95 3795.93,1146.95 3817.73,1168.75 v1(3831.25,1168.75)
  Top Copper w10: v3(5824.21,874.51) 5824.51,1074.51 5874.21,1124.21 R506.1@5874.21,1144.98
  Top Copper w16: T706.2@5586.61,2749.61 5586.61,2811.61 v1(5590,2815)
  Top Copper w24: F413.2@5824.21,827.07 F413.2@5824.21,837.11 v3(5824.21,874.51)
  Signal Layer 2 w16: v1(5330.72,3440.95) 5369.87,3401.79 5618.65,3401.79 6195,2825.44 6195,1078.85 5990.66,874.51 v3(5824.21,874.51)
  Signal Layer 3 w16: 5300,3225 5324.04,3225 5361.71,3187.33 5361.71,2887.01 5386.71,2862.01 5561.71,2862.01 5590,2833.72 v1(5590,2815)
  Bot Copper w8: v1(3831.25,1168.75) 4757.73,1168.75 4811.32,1222.34 5733.67,1222.34 5824.21,1131.79 v3(5824.21,874.51)
  other v1: 5141.74,3251.97 5299.22,3251.97 5330.72,3251.97 5125.99,3283.47 5157.49,3283.47 5188.98,3283.47 5220.48,3283.47 5251.98,3283.47 5283.47,3283.47 5314.97,3283.47 5141.74,3314.97 5173.24,3314.97 5204.73,3314.97 5236.23,3314.97 5267.72,3314.97 5299.22,3314.97 5330.72,3314.97 5141.74,3440.95 5173.24,3440.95 5204.73,3440.95 5236.23,3440.95 5267.72,3440.95 5299.22,3440.95 5125.99,3472.45 5157.49,3472.45 5188.98,3472.45 5220.48,3472.45 5251.98,3472.45 5283.47,3472.45 5314.97,3472.45 5141.74,3503.94 5299.22,3503.94 5330.72,3503.94